# Allegro board com_v1_p3.brd (continued)
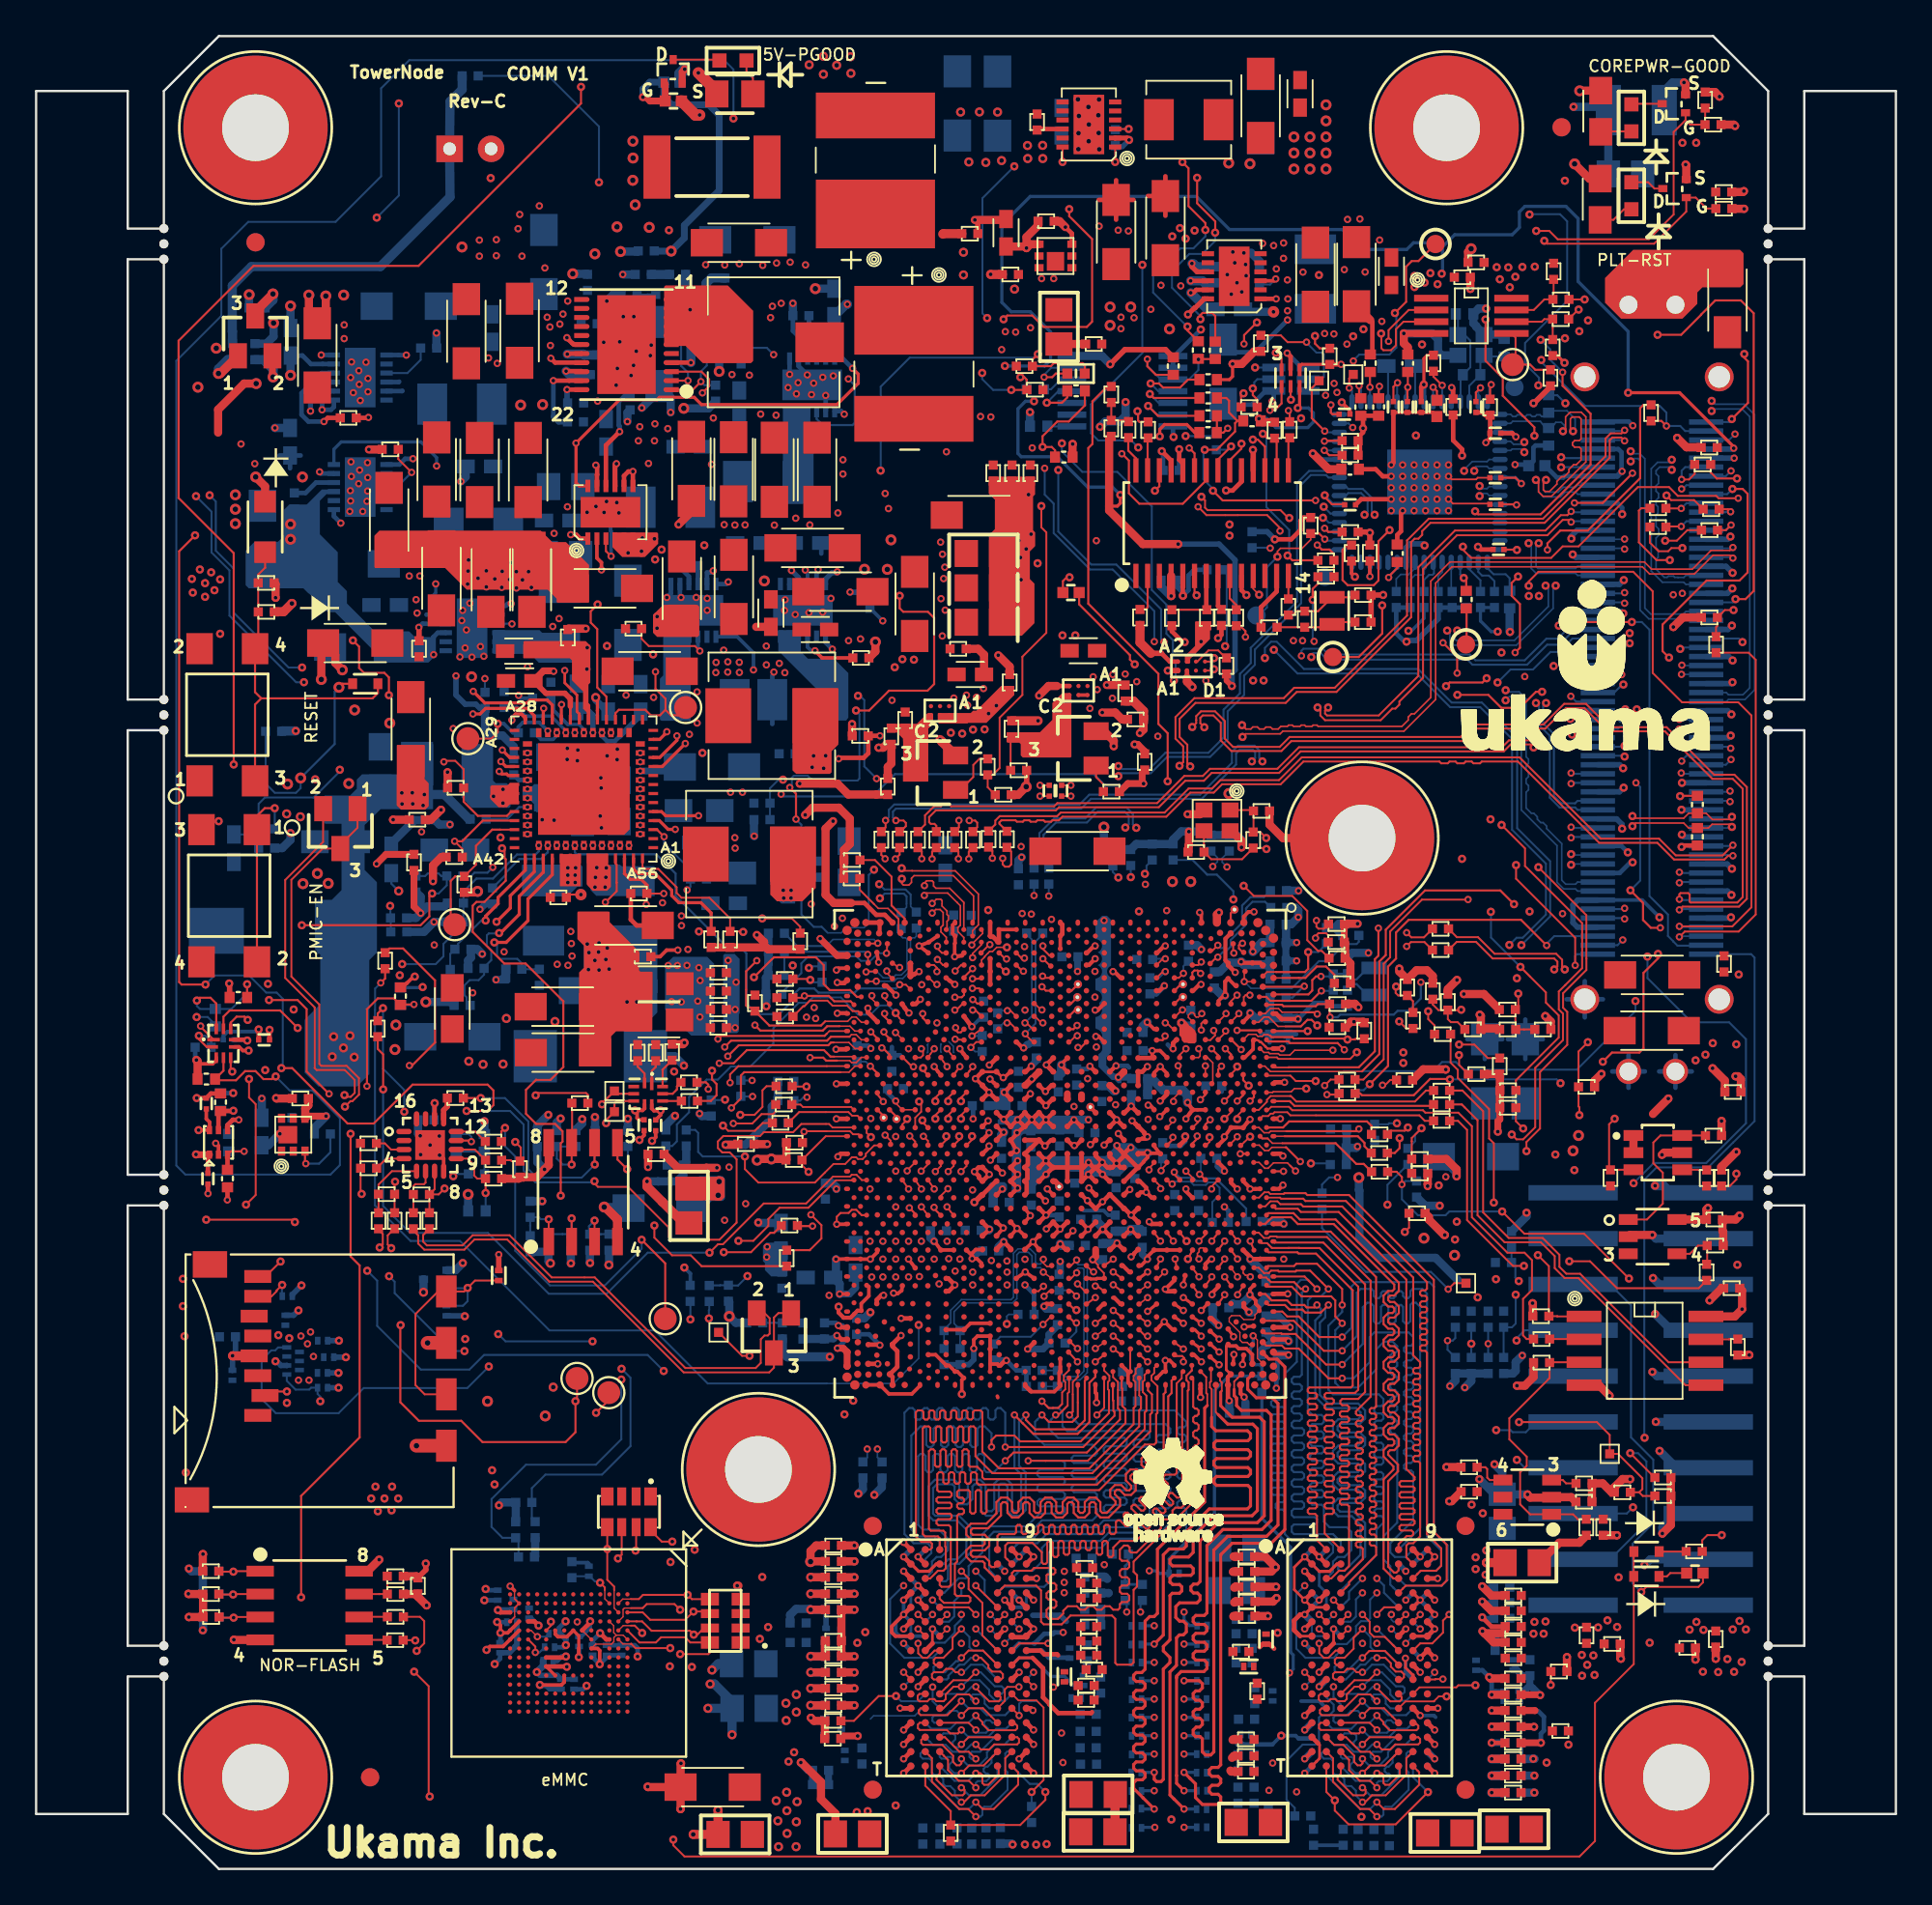
[diagram p0: board, top side]
## Routing (per net, layer and track width the routed paths; a pad name or vN(x,y) marks a point on that pad's centre or on a via; arc(x,y) is an arc through that point) (continued)
SPRINGVILLE-1_RESET: length 2.5
  BOTTOM w0.109: R2M49.2 81.65,71.55 81.43,71.77 80.76,71.77 80.42,72.12 U2M2.1
SUS_STAT_B: length 2
  TOP w0.109: R2A17.2 R2A13.2
  TOP w0.119: R2A17.2 60.46,80.3 R10605.1
SUS_STAT_B_R: length 45.7
  TOP w0.119: v2(65.69,44.5) 65.51,44.31 U3C1.G18 ; v1(62.71,60.29) 62.71,62.96 62.19,63.47 62.19,66.25 58.31,70.14 58.31,78.76 58.54,78.99 58.54,81.35 59.36,82.18 R2A13.1
  L3_SIG1 w0.119: v1(61.11,53.08) 61.11,46.12 61.46,45.77 62.76,45.77 62.94,45.94 65.2,45.94 65.32,45.82 65.52,45.62 65.52,44.66 v2(65.69,44.5)
  L8_SIG4 w0.119: v1(62.71,60.29) 62.71,55.89 62.21,55.4 62.21,54.66 61.11,53.56 v1(61.11,53.08)
SW_SV1_JTAG_TDI: length 17.6
  TOP w0.119: v1(75.3,86.25) 75.92,86.87 75.92,88.82 76.23,89.13 76.6,89.13 TP58.1 ; v2(71.39,79.15) 71.42,79.17 R2M52.1
  L6_SIG3 w0.099: v2(72.99,83.59) 72.99,83.53 72.33,82.87 71.72,82.87 70.79,81.94 70.79,79.51 71.16,79.15 v2(71.39,79.15)
  BOTTOM w0.109: v2(71.39,79.15) 71.41,79.13 U2M2.29 ; v2(72.99,83.59) 72.99,83.62 73.32,83.94 74.99,83.94 75.38,84.33 75.38,86.17 v1(75.3,86.25)
SYSTEM_RESET_N_SW: length 198.1
  TOP w0.109: D10147.A 88.53,17.58 D10149.A 88.53,11.36 86.38,9.21 86.38,1.55 85.53,0.69 35.93,0.69 35.31,1.31 v1(35.31,1.63)
  TOP w0.119: D10136.A 16.98,65.7 v5(16.78,65.5) ; v1(39.78,49.43) 40.88,50.53 43.21,50.53 43.64,50.1 43.64,49.05 43.98,48.72 45.11,48.72 45.48,48.34 U3C1.BG9
  L3_SIG1 w0.102: v1(39.78,49.43) 38.89,48.54 35.1,48.54 30.85,52.78 29.99,52.78 26.51,56.26 26.51,59.86 26.09,60.28 25.12,60.28 19.9,65.5 v5(16.78,65.5) ; v1(14.27,47.64) 14.27,51.14 17.14,54 17.14,56.04 15.21,57.97 15.21,59.93 v5(14.66,60.47)
  L8_SIG4 w0.102: v1(35.31,1.63) 33.16,3.78 30.79,6.14 29.42,6.14 23.59,11.98 23.59,19.5 19.98,23.11 13.64,23.11 11.91,24.84 11.91,34.81 14.07,36.98 14.07,47.44 v1(14.27,47.64)
  BOTTOM w0.109: R10388.2 12.72,60.16 13.23,59.65 14.4,59.65 14.66,59.91 v5(14.66,60.47)
  BOTTOM w0.119: v5(14.66,60.47) 16.55,62.36 16.55,65.26 v5(16.78,65.5)
TP_ MCSI_COMP: length 16.1
  TOP w0.119: v2(62.56,46.17) 62.56,46.08 62.43,45.95 U3C1.P14
  L3_SIG1 w0.119: v2(62.56,46.17) 62.01,46.72 62.01,51.79 63.96,53.74 v1(66.35,53.74)
  BOTTOM w0.109: R2M31.1 64.08,55.93
  BOTTOM w0.119: v1(66.35,53.74) 66.35,54.2 65.43,55.12 64.89,55.12 64.08,55.93
TP_EXTBGREF: length 0.7
  TOP w0.119: U3C1.AD12 57.59,47.62 TP3B5.1
TP_HFHPLLC: length 0.6
  TOP w0.119: U3C1.AD10 57.35,47.97 TP3B4.1
TP_SDMMC3_1P8_EN: length 0.6
  TOP w0.119: U3C1.BF22 46.97,41.73 TP2C1.1
TP_SDMMC3_PWR_EN_B: length 0.7
  TOP w0.119: TP2C2.1 47.68,41.7 U3C1.BD22
TP_SFRANAC: length 0.7
  TOP w0.119: U3C1.AD9 57.38,48.68 TP3B3.1
TP_SFRANAD_NCTF: length 0.8
  TOP w0.119: TP3B6.1 66.2,52.98 U3C1.F1
TP_USB3_ATB0_0: length 0.6
  TOP w0.119: U3C1.M10 63.09,47.97 63.45,48.33 TP3B1.1
TP_USB3_ATB0_1: length 0.6
  TOP w0.119: TP3B2.1 63.44,49.04 U3C1.M9
TPM_GPIO_0: length 51.6
  TOP w0.109: v1(65.27,66.5) 65.24,66.5 65.16,66.43 U3A7.D1
  TOP w0.119: v2(72.49,45.41) 72.12,45.78 69.48,45.78 69.39,45.87 68.28,45.87 U3C1.B14
  L3_SIG1 w0.102: v1(65.27,66.5) 65.89,67.12 v1(68.09,67.12) ; v2(72.49,45.41) 72.73,45.41 73.35,46.03 76.76,46.03 77.96,47.23 77.96,49.73 78.65,50.42 81.52,50.42 v1(82.31,51.21)
  BOTTOM w0.109: v1(68.09,67.12) 68.09,67.68 68.44,68.03 68.75,68.03 70.26,66.52 76.58,66.52 78.44,64.66 80.11,64.66 82.07,62.7 82.07,57.69 83.9,55.86 83.9,52.8 v1(82.31,51.21)
TPM_GPIO_2: length 51
  TOP w0.089: v2(71.86,45.38) 69.75,45.38 69.48,45.12 68.92,45.12 68.84,45.19 68.36,45.19 68.3,45.26 68.04,45.26 U3C1.C15
  TOP w0.109: U3A7.D2 65.08,66.93 v1(65.27,67.12)
  L3_SIG1 w0.102: v1(68.59,67.58) 67.82,67.58 67.59,67.35 65.5,67.35 v1(65.27,67.12) ; v2(71.86,45.38) 71.86,46.06 72.2,46.4 76.75,46.4 77.68,47.33 77.68,49.93 78.51,50.77 81.19,50.77 v1(81.64,51.22)
  BOTTOM w0.109: v1(68.59,67.58) 69.9,66.27 76.49,66.27 78.36,64.4 80.03,64.4 81.79,62.64 81.79,57.61 83.67,55.73 83.67,52.9 82.38,51.62 82.04,51.62 v1(81.64,51.22)
TPM_GPIO_3P3_0: length 6.5
  TOP w0.119: U3A5.6 64.19,70.71 v1(64.31,70.6)
  TOP w0.305: U3A7.A1 v1(62.71,66.43)
  L8_SIG4 w0.102: v1(62.71,66.43) 62.96,66.68 62.96,69.25 v1(64.31,70.6)
TPM_GPIO_3P3_2: length 3.5
  TOP w0.254: U3A7.A2 62.82,66.93 62.37,67.39
  TOP w0.305: 62.37,67.39 61.77,67.39
  TOP w0.508: R10606.1 61.17,67.98 61.77,67.39
TPM_ILB_SERIRQ: length 10.5
  TOP w0.119: R2A16.1 61.14,80.21 61.07,80.29 61.07,80.77 v1(61.03,80.81) ; U3A6.4 69.02,81.24 68.64,80.86 v2(68.37,80.86)
  L3_SIG1 w0.102: v1(61.03,80.81) 61.32,80.52 62.25,80.52 62.59,80.86 v2(68.37,80.86)
TPM_TESTBI: length 6.6
  TOP w0.119: v2(67.01,68.29) 67.01,68.61 66.72,68.91 R10607.1
  L3_SIG1 w0.102: v2(67.01,68.29) 66.4,68.29 v1(65.89,67.78)
  BOTTOM w0.109: v1(65.89,67.78) 65.98,67.87 65.98,71.82 R2A14.2
UNNAMED_3_RESN_I168_A: length 2.2
  BOTTOM w0.109: R3N26.1 41.82,30.26 41.81,30.27 R3N24.2 40.89,30.27 40.89,30.27 R3N25.1
UNNAMED_5_BYTISOCR1P1_I176_DD_1: length 1.2
  TOP w0.102: v2(53.82,47.58) 54,47.58 U3C1.AK12
  BOTTOM w0.086: R3N8.2 53.41,47.58 v2(53.82,47.58)
UNNAMED_5_BYTISOCR1P1_I176_DDIR: length 1.3
  TOP w0.102: v2(53.81,46.9) 53.97,46.9 U3C1.AK13
  BOTTOM w0.086: v2(53.81,46.9) 53.62,46.9 R3N8.1
UNNAMED_5_BYTISOCR1P1_I176_RE_1: length 6.7
  TOP w0.102: v2(54.82,46.3) 54.82,46.26 55.23,45.84 U3C1.AH14
  BOTTOM w0.102: v2(54.82,46.3) 55.38,46.87 55.38,47.47 55.38,47.47 55.38,51.41 55.78,51.81 R2M35.1
UNNAMED_5_BYTISOCR1P1_I176_RE_2: length 12.1
  TOP w0.119: U3C1.AB14 57.9,45.54 v2(57.74,45.54)
  L8_SIG4 w0.086: v2(57.74,45.54) 58.19,45.99 58.19,46.35 58.61,46.77 59.01,46.77 59.53,47.28 59.53,48.66 60.23,49.36 60.23,51.59 60.66,52.02 60.66,53.49
  L8_SIG4 w0.102: 60.66,53.49 v1(60.66,54.98)
  BOTTOM w0.109: R2M33.1 60.66,54.98 v1(60.66,54.98)
UNNAMED_5_BYTISOCR1P1_I176_RESE: length 5.9
  TOP w0.102: U3C1.AH13 55.23,46.55 54.88,46.9 v2(54.8,46.9)
  BOTTOM w0.102: R2M35.2 54.89,51.81 55.18,51.52 55.18,47.28 v2(54.8,46.9)
UNNAMED_5_BYTISOCR1P1_I176_VG_1: length 4.3
  TOP w0.086: 46.43,53.49 46.67,53.25 47.2,53.25 47.38,53.08
  TOP w0.102: 47.79,52.66 47.79,52 U3C1.BC2
  TOP w0.109: R2B19.1 45.64,54.27 46.43,53.49 ; 47.38,53.08 47.79,52.66
UNNAMED_5_BYTISOCR1P1_I176_VGAD: length 5
  TOP w0.109: 47.4,53.41 47.4,55.01 46.48,55.92 R2B15.1
  TOP w0.119: U3C1.BC1 48.13,52.68 47.4,53.41
UNNAMED_6_BYTISOCR1P1_I118_PC_1: length 7.7
  TOP w0.102: U3C1.AT6 51.26,50.11 v2(50.93,49.78)
  TOP w0.109: C2B31.1 51.11,56.4 v2(51.11,56)
  L3_SIG1 w0.086: 51.26,53.49 51.26,50.11 v2(50.93,49.78)
  L3_SIG1 w0.119: v2(51.11,56) 51.26,55.85 51.26,53.49
UNNAMED_6_BYTISOCR1P1_I118_PC_2: length 8.1
  TOP w0.102: v2(49.95,51.15) 49.95,51.03 50.19,50.78 U3C1.AV4
  TOP w0.109: v2(49.08,56) 49.08,56.4 C2B29.1
  L3_SIG1 w0.086: v2(49.95,51.15) 50.22,50.87 50.31,50.87 50.42,50.99 50.42,51.5 50.56,51.64 50.56,53.44 50.53,53.47 50.53,53.49
  L3_SIG1 w0.119: v2(49.08,56) 49.24,55.84 49.24,55.42 49.64,55.02 50.28,55.02 50.53,54.77 50.53,53.49
UNNAMED_6_BYTISOCR1P1_I118_PC_3: length 7.8
  TOP w0.109: v2(51.68,55.99) 51.68,56.38 C2B32.1
  TOP w0.112: U3C1.AT7 51.42,49.43 v2(51.89,49.91)
  L3_SIG1 w0.086: 51.51,53.49 51.51,53.39 51.44,53.32 51.44,50.36 v2(51.89,49.91)
  L3_SIG1 w0.119: v2(51.68,55.99) 51.51,55.82 51.51,53.49
UNNAMED_6_BYTISOCR1P1_I118_PC_4: length 8.3
  TOP w0.102: U3C1.AV6 50.25,50.11 v2(49.95,50.41)
  TOP w0.109: v2(49.65,55.99) 49.65,56.38 C2B30.1
  L3_SIG1 w0.086: 50.78,53.49 50.78,53.47 50.75,53.44 50.75,51.56 50.61,51.43 50.61,50.91 50.39,50.69 50.22,50.69 v2(49.95,50.41)
  L3_SIG1 w0.119: v2(49.65,55.99) 49.51,55.85 49.51,55.53 49.77,55.27 50.38,55.27 50.78,54.87 50.78,53.49
UNNAMED_6_BYTISOCR1P1_I118_PC_5: length 1.4
  TOP w0.102: v2(51.8,45.54) 52.1,45.84 U3C1.AP14
  BOTTOM w0.086: R3N7.1 52.04,45.31 v2(51.8,45.54)
UNNAMED_6_BYTISOCR1P1_I118_PCIE: length 1.2
  TOP w0.102: v2(51.86,46.17) 52.37,46.55 U3C1.AP13
  BOTTOM w0.086: 52.23,46.18 52.41,46.18 R3N7.2
  BOTTOM w0.119: v2(51.86,46.17) 51.86,46.18 52.23,46.18
UNNAMED_6_BYTISOCR1P1_I118_SA_1: length 14.8
  TOP w0.119: U3C1.AT18 51.72,44.24 v2(51.9,44.48)
  L8_SIG4 w0.086: v2(51.9,44.48) 51.26,43.84 50.82,43.84 50.81,43.83 45.82,43.83 44.77,42.78 43.91,42.78 43.82,42.69
  L8_SIG4 w0.102: v2(39.7,42.82) 40.47,42.05 43.17,42.05 43.82,42.69
  BOTTOM w0.109: R3N14.1 39.06,42.82 v2(39.7,42.82)
UNNAMED_6_BYTISOCR1P1_I118_SATA: length 14.2
  TOP w0.119: U3C1.AU18 50.99,44.2 v2(51.19,44.48)
  L8_SIG4 w0.086: v2(51.19,44.48) 50.74,44.02 45.73,44.02 44.72,43.02 43.82,43.02
  L8_SIG4 w0.102: v2(39.68,43.71) 41.11,42.28 43.08,42.28 43.82,43.02
  BOTTOM w0.109: R3N14.2 39.06,43.71 v2(39.68,43.71)
UNNAMED_7_BYTISOCR1P1_I121_LPCR: length 1.5
  TOP w0.119: U3C1.BF18 46.62,44.11 v2(46.23,44.5)
  BOTTOM w0.102: v2(46.23,44.5) 45.97,44.75 45.5,44.75 R3N6.2
UNNAMED_7_BYTISOCR1P1_I121_SI_1: length 3.6
  TOP w0.102: U3C1.BH22 45.16,42.23 42.5,42.23 42.36,42.37 R2C9.1
UNNAMED_7_BYTISOCR1P1_I121_SIOI: length 4.4
  TOP w0.102: 43.77,41.96 45.02,41.96 45.22,41.75 45.52,41.75 U3C1.BG23
  TOP w0.109: 43.77,41.96 42.29,41.96 R2C12.1
UNNAMED_7_BYTISOCR1P1_I121_USB3: length 1.4
  TOP w0.102: U3C1.M7 63.33,49.39 v2(63.58,49.65)
  BOTTOM w0.102: v2(63.58,49.65) 63.58,50.04 R2M40.1
UNNAMED_25_BYTISOCR1P1_I90_GP_1: length 15.9
  TOP w0.119: U3C1.J24 64.79,41.09 64.79,41.27 v2(65.06,41.53)
  L5_SIG2 w0.086: 69.51,41.88 69.38,41.88 69.3,41.96 65.49,41.96 v2(65.06,41.53)
  L5_SIG2 w0.099: v1(74.88,36.82) 74.88,37.76 70.76,41.88 69.51,41.88
  BOTTOM w0.109: R2N6.2 75.62,38.66 75.62,38.66 74.88,37.92 v1(74.88,36.82)
UNNAMED_25_BYTISOCR1P1_I90_GPIO: length 10.9
  TOP w0.119: U3C1.N26 62.99,40.45 v2(62.99,40.56)
  L3_SIG1 w0.102: 70.55,39.64 70.64,39.54 v1(70.64,39.11)
  L3_SIG1 w0.119: v2(62.99,40.56) 63.86,39.69 65.94,39.69 66.47,39.17 67.59,39.17 68.43,40.01 70.17,40.01 70.55,39.64
  BOTTOM w0.109: R2N7.2 71.65,39.11 v1(70.64,39.11)
UNNAMED_25_BYTISOCR1P1_I90_IC_1: length 32.2
  TOP w0.102: v2(55.74,47.62) 55.69,47.62 55.34,47.97 U3C1.AH10
  TOP w0.109: Y3B2.3 64.72,56.38 C3B32.1 65.12,55.97 66.83,55.97 R3B5.2 68.13,56.59 v1(68.18,56.54)
  L8_SIG4 w0.086: 59.54,53.11 59.16,53.49
  L8_SIG4 w0.102: v2(55.74,47.62) 57.14,49.02 57.14,50.58 58.26,51.69 58.73,52.17 59.28,52.17 59.54,52.42 59.54,53.11 ; v1(68.18,56.54) 68.57,56.93 68.57,57.32 67.97,57.92 66.01,57.92 63.01,60.93 62.44,60.93 62.07,60.55 62.07,57.04 61.62,56.59 59.77,56.59 58.94,55.77 58.94,53.7 59.16,53.49
UNNAMED_25_BYTISOCR1P1_I90_ICLK: length 29.6
  TOP w0.102: U3C1.AH12 55.35,47.26 55.71,46.9 v2(55.79,46.9)
  TOP w0.109: v1(68.17,57.15) 67.84,57.48 R3B5.1 67.46,57.49 C3B22.1 67.41,58.7 Y3B2.1
  L8_SIG4 w0.086: 59.77,53.22 59.49,53.49
  L8_SIG4 w0.102: 59.77,53.22 59.77,52.37 59.37,51.96 58.82,51.96 57.35,50.5 57.35,48.51 57.32,48.48 57.32,48.43 v2(55.79,46.9) ; 59.49,53.49 59.17,53.81 59.17,55.67 59.86,56.36 61.71,56.36 62.3,56.95 62.3,60.46 62.54,60.7 62.88,60.7 65.88,57.69 67.62,57.69 v1(68.17,57.15)
UNNAMED_25_BYTISOCR1P1_I90_IL_1: length 6.8
  TOP w0.119: v2(71.2,49.47) 70.92,49.47 70.72,49.27 70.72,48.69 70.5,48.48 U3C1.A9
  BOTTOM w0.109: C2M16.2 71.9,49.63 R2M43.2 71.75,49.47 v2(71.2,49.47)
  BOTTOM w0.119: C2M16.2 72.99,49.3 73.16,49.3 73.8,49.94 Y2M2.2
UNNAMED_25_BYTISOCR1P1_I90_IL_2: length 7.1
  TOP w0.119: v2(71.22,48.67) 71.21,48.67 70.66,48.12 68.39,48.12 68.17,48.34 U3C1.C9
  BOTTOM w0.109: v2(71.22,48.67) 71.84,48.67 R2M43.1 71.89,48.71 C2N1.2
  BOTTOM w0.119: Y2M2.1 73.78,48.44 73.17,49.05 73.01,49.05 C2N1.2
UNNAMED_25_BYTISOCR1P1_I90_ILBR: length 3.6
  TOP w0.119: v2(70.28,48.93) 70.25,48.9 U3C1.B8
  BOTTOM w0.119: C2M20.1 69.62,48.31 70.25,48.93 v2(70.28,48.93)
UNNAMED_25_BYTISOCR1P1_I90_SV_1: length 7
  TOP w0.089: 68.25,40.49 68.51,40.23 69.06,40.23
  TOP w0.119: U3C1.C25 67.95,40.49 68.25,40.49 ; 69.06,40.23 72.01,40.23 73.16,39.08 73.57,39.08 R3C16.1
UNNAMED_25_BYTISOCR1P1_I90_SV_2: length 5.9
  TOP w0.089: U3C1.A25 69.19,40.61
  TOP w0.119: 69.19,40.61 73.24,40.61 73.61,40.25 73.61,40.06 R3C12.1
UNNAMED_25_BYTISOCR1P1_I90_SVID: length 6.5
  TOP w0.119: U3C1.B24 68.33,41.1 69.1,41.1 69.43,41.44 73.75,41.44 74,41.19 R3C10.1
UNNAMED_27_MOSFETNDUAL6P_I124_D: length 6.8
  TOP w0.109: R3B16.2 68.97,85.01 69.35,84.63 v2(70.4,84.63)
  BOTTOM w0.109: Q2N1.6 Q2N1.5 71.22,82.58 71.36,82.71 71.36,83.94 71.25,84.05 70.95,84.05 70.4,84.6 v2(70.4,84.63)
UNNAMED_44_PCA9517A_I135_EN: length 4.1
  TOP w0.109: U2A1.5 81.98,84.89 81.98,83.56 TP141.1
  TOP w0.119: R2A5.2 83.08,83.1 82.79,83.39 TP141.1
UNNAMED_49_IDTP9147_I1_LX1:
  vias: v2(32.81,72.95) v2(33.6,73.77) v2(34.27,73.73) v6(33.55,73.05)
UNNAMED_49_IDTP9147_I1_RSET: length 3
  TOP w0.119: U2B1.3 31.58,73.75 31.58,73.05 v2(31.86,72.77)
  BOTTOM w0.203: R3M1.1 31.84,74.17 31.86,74.15 v2(31.86,72.77)
UNNAMED_49_IDTP9147_I2_RSET: length 12
  L3_SIG1 w0.119: v2(40.87,83.94) 43.66,83.94 44.61,83 44.61,82.98 44.84,82.75 44.85,82.75 v2(45.01,82.6)
  BOTTOM w0.114: R3L16.1 40.49,84.32 v2(40.87,83.94)
  BOTTOM w0.119: U3L1.3 43.25,80.37 43.59,80.04 45.24,80.04 45.36,80.16 45.36,82.25 v2(45.01,82.6)
UNNAMED_50_IDTP9147_I7_RSET: length 5.2
  L3_SIG1 w0.254: v2(24.87,65.98) 26.37,67.49 v2(26.37,69.01)
  BOTTOM w0.109: R4M6.1 24.87,65.23 v2(24.87,65.98)
  BOTTOM w0.119: v2(26.37,69.01) 26.36,69.03 U4M3.3
UNNAMED_50_IDTP9147_I11_LX1: length 1.6
  BOTTOM w0.254: U4L1.5 20.28,81.92 20.3,81.93 ; U4L1.4 20.1,82.42 20.12,82.44
UNNAMED_50_IDTP9147_I11_RSET: length 2.8
  BOTTOM w0.109: R4L2.1 21.31,83.66 20.58,82.92 U4L1.3
UNNAMED_50_IDTP9147_I54_RSET: length 3.2
  TOP w0.109: R1B2.1 20.07,78.16 v2(20.81,77.41)
  BOTTOM w0.119: v2(20.81,77.41) 20.25,76.85 U4M1.3
UNNAMED_51_IDTP9147_I7_RSET: length 3.3
  TOP w0.203: v2(43.16,67.53) 43.56,67.13 R2B1.1
  BOTTOM w0.203: U3M1.3 42.75,67.74 42.95,67.53 v2(43.16,67.53)
UNNAMED_51_IDTP9147_I49_LX1:
  vias: v2(67.97,90.11) v2(68.58,89.99) v2(68.73,88.7) v2(69.13,90.13) v2(69.12,89.28)
UNNAMED_51_IDTP9147_I49_RSET: length 1.9
  TOP w0.203: v2(68.69,88.14) 68.59,88.04 U3A3.3
  BOTTOM w0.109: R2L12.1 68.38,87.83 v2(68.69,88.14)
UNNAMED_81_CAPN_I19_A: length 4.4
  TOP w0.119: C3A23.1 71.94,69.12 Y3A1.1 71.65,68.83 R3A18.1 R10609.1
UNNAMED_81_CAPN_I20_A: length 4.2
  TOP w0.119: R10603.1 69.63,69.51 69.84,69.72 R3A18.2 71.04,69.72 Y3A1.2 72.96,70.49 C3A25.1
UNNAMED_81_RESN_I34_B: length 1.8
  TOP w0.119: R2A16.2 61.59,79.3 U3A5.27
UNNAMED_81_RESN_I66_B: length 2.5
  TOP w0.119: U3A5.21 65.49,78.13 v1(66.22,78.85)
  BOTTOM w0.109: R3A19.2 66.03,78.67 v1(66.22,78.85)
UNNAMED_101_NPN_I2_B: length 28
  TOP w0.109: Q40.1 41.14,30.81 40.89,30.56 Q40.3 40.89,27.79 40.62,27.52 35.89,27.52 30.86,32.55 28.44,32.55 26.11,34.89 24.29,34.89 23.73,34.33 21.51,34.33 21.17,34.67 21.17,35.13 20.91,35.39 R1750.2
UNNAMED_101_NPN_I2_E: length 26.7
  TOP w0.109: Q40.2 40.36,30.81 40.65,30.53 40.65,29.67 40.55,29.57 40.37,29.57 40.16,29.36 40.16,28.05 39.87,27.77 35.98,27.77 30.95,32.79 30.39,32.79 28.57,32.79 26.23,35.13 24.19,35.13 23.63,34.57 21.65,34.57 21.45,34.77 21.45,35.14 21.79,35.48 R1751.2
UNNAMED_101_NPN_I19_B: length 33
  TOP w0.109: R1752.2 18.98,35.43 19.21,35.2 19.21,34.62 v1(19.04,34.45) ; Q41.1 17.81,57.72 16.86,56.77 Q41.3 15.88,56.56 14.15,54.83 14.15,49.47 15.69,47.92 15.69,44.63 15.8,44.52 17.21,44.52 17.89,43.83 17.89,42.92 17.53,42.56 17.42,42.56 v1(17.11,42.26)
  L3_SIG1 w0.102: v1(17.11,42.26) 17.23,42.37 17.73,42.37 17.86,42.25 17.86,39.59 17.09,38.81 17.09,36.61 18.19,35.51 18.9,35.51 19.3,35.12 19.3,34.71 v1(19.04,34.45)
UNNAMED_101_NPN_I19_E: length 32.1
  TOP w0.109: Q41.2 15.91,56.92 13.8,54.82 13.8,49.39 15.44,47.75 15.44,44.39 15.55,44.28 17.11,44.28 17.66,43.73 17.66,43.02 17.43,42.8 17.19,42.8 v1(17.09,42.9) ; R1753.2 19.85,35.48 19.48,35.12 19.48,34.61 v1(19.68,34.41)
  L3_SIG1 w0.102: v1(17.09,42.9) 17.16,42.9 17.4,42.66 17.84,42.66 18.1,42.4 18.1,39.5 17.32,38.72 17.32,36.71 18.28,35.74 19,35.74 19.53,35.21 19.53,34.56 v1(19.68,34.41)
UNNAMED_119_CAPN_I20_A: length 1
  BOTTOM w0.508: C3L7.1 35.1,88.39 R3L4.2
UNNAMED_119_CAPN_I22_A: length 6
  TOP w0.254: U2A2.4 35.21,83.5 36.29,83.5 v2(36.29,83.5)
  BOTTOM w0.508: C3L9.1 38.17,86.49 37.86,86.17 37.37,86.17 36.29,85.09 v2(36.29,83.5)
UNNAMED_119_CAPN_I22_B: length 1.8
  BOTTOM w0.508: R3L6.2 37.13,87.91 37.42,88.19 38.17,88.19 C3L9.2
UNNAMED_119_CAPN_I28_A: length 2.4
  TOP w0.254: U2A2.18 30.23,84 29.56,84 29.53,83.97 v2(29.44,83.97)
  BOTTOM w0.508: v2(29.44,83.97) 30.33,83.97 30.38,83.92 C3L12.1
UNNAMED_119_CAPN_I37_A: length 4.2
  BOTTOM w0.109: R3L7.1 33.88,87.28 33.86,87.27 C3L10.1 33.3,86.81 33.12,86.62 ; R3L9.2 31.59,86.15 R3L8.1
  BOTTOM w0.119: R3L8.1 32.42,86.62 33.12,86.62
UNNAMED_119_CHOKE_I17_INA: length 3.6
  TOP w0.254: 36.24,86.78 36.02,87 U2A2.11
  TOP w0.279: 36.24,86.78 v1(36.24,86.43)
  BOTTOM w0.508: v1(36.24,86.43) 36.25,86.44 R3L6.1 35.99,87.54 R3L4.1
UNNAMED_119_RESN_I12_A: length 2.3
  TOP w0.254: U2A2.20 30.22,83.03 v2(29.37,83.03)
  BOTTOM w0.508: v2(29.37,83.03) 29.56,82.83 R3L11.1
UNNAMED_119_RESN_I13_A: length 4.5
  TOP w0.254: v2(28.66,82.5) 29.54,82.5 U2A2.21
  BOTTOM w0.254: v2(28.66,82.5) 28.66,80.51
  BOTTOM w0.305: 28.66,80.51 28.95,80.22 R3L13.1
UNNAMED_119_RESN_I25_A: length 4.3
  TOP w0.119: v2(36.84,82.45) 36.39,82 35.83,82 35.83,82 U2A2.1
  BOTTOM w0.109: R3L15.1 37.04,82.25 v2(36.84,82.45) 36.84,83.01 37.17,83.34 37.17,83.85 R3L12.1
UNNAMED_119_RESN_I34_B: length 6.1
  TOP w0.119: U2A2.2 35.83,82.5 35.83,82.5 36.12,82.5 v2(36.12,82.5)
  BOTTOM w0.109: R3L7.2 35.74,86.77 35.74,86.76
  BOTTOM w0.114: 35.74,86.76 35.74,86.51
  BOTTOM w0.119: v2(36.12,82.5) 36.12,82.94 35.74,83.33 35.74,86.07 35.74,86.51
UNNAMED_119_RESN_I39_A: length 1.6
  TOP w0.254: U2A2.22 30.23,82 29.43,82 v2(29.42,82.01)
  BOTTOM w0.305: v2(29.42,82.01) 29.42,81.3 R3L14.1
UNNAMED_127_IDTP9145R1P15_I1__1: length 4.3
  BOTTOM w0.119: v3(28.35,56.74) 28.35,56.35 28.34,56.35 27.98,55.98 26.78,55.98 26.04,55.24 26.04,55.12 R3M11.1
UNNAMED_127_IDTP9145R1P15_I1__3: length 2.6
  BOTTOM w0.119: v3(27.23,58.86) 26.76,58.86 26.11,58.21 24.95,58.21 R4M9.1
UNNAMED_127_IDTP9145R1P15_I1_DR: length 5.5
  L8_SIG4 w0.119: v3(27.23,57.86) 26.62,57.86 26.41,57.65 26.41,56.41 25.52,55.52 v2(25.31,55.52)
  BOTTOM w0.109: R4M12.2 24.11,55.04 24.29,55.23
  BOTTOM w0.119: v2(25.31,55.52) 25.01,55.23 24.29,55.23
UNNAMED_127_IDTP9145R1P15_I1_VC:
  vias: v2(30.97,54.42) v2(31.07,55.51) v2(31.6,55.49) v2(31.57,54.97) v2(31.53,54.42) v6(31,54.96)
UNNAMED_127_IDTP9145R1P15_I1_VD:
  vias: v2(25.35,59.46) v2(25.87,59.85) v2(25.87,59.08)
UNNAMED_127_IDTP9145R1P15_I1_VN: length 0.1
  BOTTOM w0.119: 29.39,54.76 v2(29.47,54.68)
  vias: v2(29.47,55.49) v2(29.47,55.09) v2(29.9,55.49) v2(29.87,55.09) v2(29.87,54.68)
UNNAMED_240_DIOSOT23C_I32_A1: length 2.8
  TOP w0.381: v5(13.13,82.7) 13.1,82.74 CR1L1.2
  BOTTOM w0.508: R1L2.2 12.6,83.66 13.13,83.13 v5(13.13,82.7)
UNNAMED_263_CAPN_I91_A: length 1.9
  TOP w0.109: C2B25.1 54,62.71 R2B8.2
UNNAMED_263_IDTP9145R1P15_I1_VS: length 7.8
  TOP w0.109: U2B3.A40 25.72,57.61 ; 24.37,55.67 R11144.2
  TOP w0.119: TP126.1 22.97,52.56 22.97,54.77 23.23,55.02 R11144.2 ; 25.72,57.61 25.27,57.61 24.37,56.71 24.37,55.67
UNNAMED_263_NPN_I95_B: length 1.6
  TOP w0.109: R3B4.2 59.14,60.12 58.74,60.52 Q3B1.1
UNNAMED_263_NPN_I115_B: length 2.9
  TOP w0.109: Q2B1.1 51.22,59.82 51.93,60.53 51.93,61.2 52.27,61.54 R2B10.2
UNNAMED_266_IDTP9147_I38_RSET: length 1.5
  TOP w0.109: U1D1.3 60.54,96.45 v1(60.54,96.45)
  BOTTOM w0.109: R4P6.1 59.84,96.45 v1(60.54,96.45)
UNNAMED_266_IDTP9147_I44_RSET: length 4.9
  TOP w0.109: v2(36.78,67.51) 36.51,67.79 33.95,67.79 33.55,68.19 R2B2.1
  BOTTOM w0.203: U3M2.3 36.68,67.62 v2(36.78,67.51)
USB3_P0_ICLK_DN: length 1.6
  TOP w0.102: v2(62.57,49.74) 62.44,49.74 U3C1.P7
  BOTTOM w0.102: v2(62.57,49.74) 62.23,49.4 R2M41.1
USB3_P0_ICLK_DP: length 1.3
  TOP w0.102: U3C1.P6 62.44,50.45 v2(62.57,50.45)
  BOTTOM w0.102: v2(62.57,50.45) 61.92,50.45 R2M39.1
USB3_P1_ICLK_DN: length 5.6
  TOP w0.112: v2(65.48,50.54) 65.41,50.54 U3C1.H5
  BOTTOM w0.086: R2M38.1 68.22,53.49
  BOTTOM w0.109: 67.11,53.31 67.41,53.61 68.1,53.61 68.22,53.49
  BOTTOM w0.112: 67.11,53.31 67.11,53.3 67.04,53.24 67.04,52.36 67,52.31 67,52.29 66.19,51.49 66.19,51.13 65.88,50.82 65.76,50.82 v2(65.48,50.54)
USB3_P1_ICLK_DP: length 5.6
  TOP w0.112: U3C1.H4 65.18,50.9 v2(65.48,51.2)
  BOTTOM w0.109: R2M36.1 68.04,53.87 67.3,53.87 66.92,53.49
  BOTTOM w0.112: v2(65.48,51.2) 65.64,51.05 65.79,51.05 65.97,51.23 65.97,51.58 66.83,52.45 66.83,53.4 66.92,53.49
USB3_RX0_N: length 36.3
  TOP w0.112: U3C1.E3 66.33,50.81 v2(66.37,50.77)
  L8_SIG4 w0.102: 68.19,52.33 69.11,53.24 69.11,53.25 69.15,53.29 69.15,53.29 69.17,53.31 ; 66.3,52.27 65.93,51.9 65.93,51.51 66.18,51.27 66.19,51.27 66.37,51.08 v2(66.37,50.77)
  L8_SIG4 w0.107: 66.3,52.27 68.13,52.27 68.19,52.33 ; v1(88.03,62.25) 87.86,62.08 87.15,62.08 86.94,62.08 86.4,62.08 86.14,61.83 86.14,53.01 85.04,51.91 79.07,51.91 77.44,53.54 69.39,53.54 69.17,53.31
  BOTTOM w0.109: J20.24 87.98,62.21 v1(88.03,62.25)
USB3_RX0_P: length 36.2
  TOP w0.112: v2(66.85,51.31) 66.76,51.31 66.65,51.2 66.65,51.02 66.87,50.81 U3C1.D4
  L8_SIG4 w0.102: 69.31,53.16 68.4,52.25 68.4,52.24 68.34,52.18 ; 66.34,51.99 66.14,51.78 66.14,51.6 66.26,51.47 66.27,51.47 66.43,51.31 v2(66.85,51.31)
  L8_SIG4 w0.107: 69.31,53.16 69.43,53.28 77.33,53.28 78.96,51.65 85.15,51.65 86.39,52.9 86.39,61.72 86.5,61.83 87.24,61.83 87.38,61.7 87.38,61.55 87.47,61.46 87.82,61.46 v1(88.03,61.66) ; 68.34,52.18 68.2,52.05 66.4,52.05 66.34,51.99
  BOTTOM w0.109: J20.23 87.98,61.71 v1(88.03,61.66)
USB3_TX0_N: length 29.1
  TOP w0.109: C1982.2 78.72,51.39 79.79,51.39 80.71,50.47 84.12,50.47 84.3,50.29 84.3,50.04 v1(84.13,49.86)
  L3_SIG1 w0.107: v1(84.13,49.86) 84.29,50.03 84.29,50.46 84.71,50.87 85.37,50.87 85.52,50.87 85.86,50.87 87.92,48.82 90.55,48.82 92.85,51.11 92.85,59.24 93.18,59.57 93.69,59.57 v2(93.87,59.75)
  BOTTOM w0.109: J20.79 93.83,59.71 v2(93.87,59.75)
USB3_TX0_P: length 29.1
  TOP w0.109: v1(84.71,49.86) 84.56,50.01 84.56,50.4 84.23,50.73 80.82,50.73 79.9,51.65 78.73,51.65 C1981.2
  L3_SIG1 w0.107: v2(93.87,59.16) 93.71,59.32 93.28,59.32 93.1,59.13 93.1,51.01 90.66,48.57 87.81,48.57 85.76,50.62 85.48,50.62 85.37,50.62 84.81,50.62 84.55,50.35 84.55,50.02 v1(84.71,49.86)
  BOTTOM w0.109: v2(93.87,59.16) 93.83,59.21 J20.78
USB_DN0: length 45.9
  TOP w0.086: U3C1.K16 64.42,44.98 64.5,45.06 64.5,45.4 v2(64.43,45.47)
  L3_SIG1 w0.102: v2(64.43,45.47) 64.17,45.21 64.17,44.37 64.46,44.09 66.71,44.09 67.34,44.72 69.46,44.72 69.48,44.74 69.51,44.74
  L3_SIG1 w0.107: v1(75.76,45.26) 75.59,45.09 74.6,45.09 74.25,44.74 69.51,44.74
  L8_SIG4 w0.107: v1(75.76,45.26) 75.93,45.09 76.57,45.09 77.95,46.48 81.32,46.48 84.25,49.4 85.25,49.4 87.2,51.35 87.2,58.16 89.11,60.07 89.11,62.79 88.17,63.74 87.7,63.74 87.61,63.82 87.61,64.2 87.69,64.28 v1(88.06,64.28)
  BOTTOM w0.109: v1(88.06,64.28) 88.26,64.08 88.26,63.72 88.12,63.59 87.78,63.59 87.67,63.71 J20.27
USB_DN1: length 48.4
  TOP w0.102: U3C1.G14 65.92,46.38 v2(65.92,46.45)
  TOP w0.109: v2(85.06,75.25) 84.85,75.04 84.49,75.04 83.64,74.19 78.63,74.19 76.59,72.16 76.59,66.13 74.4,63.94 71.54,63.94 71.43,64.05 71.43,64.21 v1(71.6,64.38)
  L8_SIG4 w0.086: 67.12,53.49 67.12,53.48 67.06,53.41 67.06,52.8 66.73,52.47 65.41,52.47 64.14,51.21 64.14,48.65 64.97,47.83 65.24,47.83 65.59,47.48 65.59,47.14 65.73,47.01 66.27,47.01 66.33,46.95 66.33,46.87 v2(65.92,46.45)
  L8_SIG4 w0.107: v1(71.6,64.38) 71.43,64.21 71.43,63.37 69.73,61.68 69.73,55.31 68.22,53.8 67.25,53.8 67.12,53.67 67.12,53.49
  BOTTOM w0.109: v2(85.06,75.25) 85.1,75.21 J20.50
USB_DN2: length 59
  TOP w0.102: U3C1.J12 64.67,46.96 64.57,46.86 v2(64.57,46.5)
  L3_SIG1 w0.086: 68.92,47.18 68.93,47.19 68.93,47.19 68.97,47.23 69.45,47.71 69.46,47.71 69.51,47.75
  L3_SIG1 w0.089: 68.92,47.18 68.1,46.35 67.18,46.35 66.67,46.86 64.93,46.86 v2(64.57,46.5)
  L3_SIG1 w0.107: 69.51,47.75 69.62,47.87 72.09,47.87 72.57,48.35 73.95,48.35 74.31,48 75.58,48 76.33,48.75 76.33,50.31 78.05,52.03 85.38,52.03 88.22,49.18 90.45,49.18 92.54,51.27 92.54,68.98 91.58,69.94 91.37,69.94 89.24,69.94 88.61,70.57 88.21,70.57 v2(88.03,70.75)
  BOTTOM w0.109: J20.41 87.98,70.71 v2(88.03,70.75)
USB_DP0: length 45.9
  TOP w0.102: v2(63.72,45.47) 63.37,45.12 U3C1.M16
  L3_SIG1 w0.102: 69.51,44.49 69.4,44.49 69.38,44.51 67.43,44.51 66.8,43.88 64.37,43.88 63.97,44.29 63.97,45.21 v2(63.72,45.47)
  L3_SIG1 w0.107: v1(75.76,44.68) 75.61,44.83 74.7,44.83 74.36,44.49 69.51,44.49
  L8_SIG4 w0.107: v1(75.76,44.68) 75.92,44.84 76.67,44.84 78.06,46.22 81.43,46.22 82.96,47.76 84.35,49.14 85.35,49.14 87.46,51.25 87.46,58.06 89.37,59.97 89.37,62.9 88.5,63.77 88.5,64.08 v1(88.7,64.28)
  BOTTOM w0.109: J20.26 87.67,63.21 87.79,63.33 88.23,63.33 88.52,63.61 88.52,64.1 v1(88.7,64.28)
USB_DP1: length 48.4
  TOP w0.102: v2(65.25,46.48) 65.33,46.4 65.33,46.21 65.07,45.94 64.82,45.94 U3C1.J14
  TOP w0.109: v1(71.01,64.38) 71.17,64.23 71.17,63.94 71.43,63.68 74.51,63.68 75.15,64.32 75.32,64.32 75.55,64.54 75.55,64.72 76.86,66.03 76.86,72.05 78.74,73.93 83.75,73.93 84.6,74.78 84.94,74.78 v2(85.06,74.66)
  L8_SIG4 w0.086: 66.87,53.49 66.86,53.49 66.86,52.87 66.65,52.66 65.33,52.66 63.96,51.28 63.96,48.58 64.89,47.64 65.17,47.64 65.4,47.4 65.4,46.63 v2(65.25,46.48)
  L8_SIG4 w0.107: 66.87,53.49 66.87,53.78 67.15,54.06 68.12,54.06 69.47,55.41 69.47,61.78 71.17,63.48 71.17,64.22 v1(71.01,64.38)
  BOTTOM w0.109: J20.49 85.1,74.71 v2(85.06,74.66)
